# Altium PCB A8_multiple.PcbDoc (part 2 of 10) (continued)
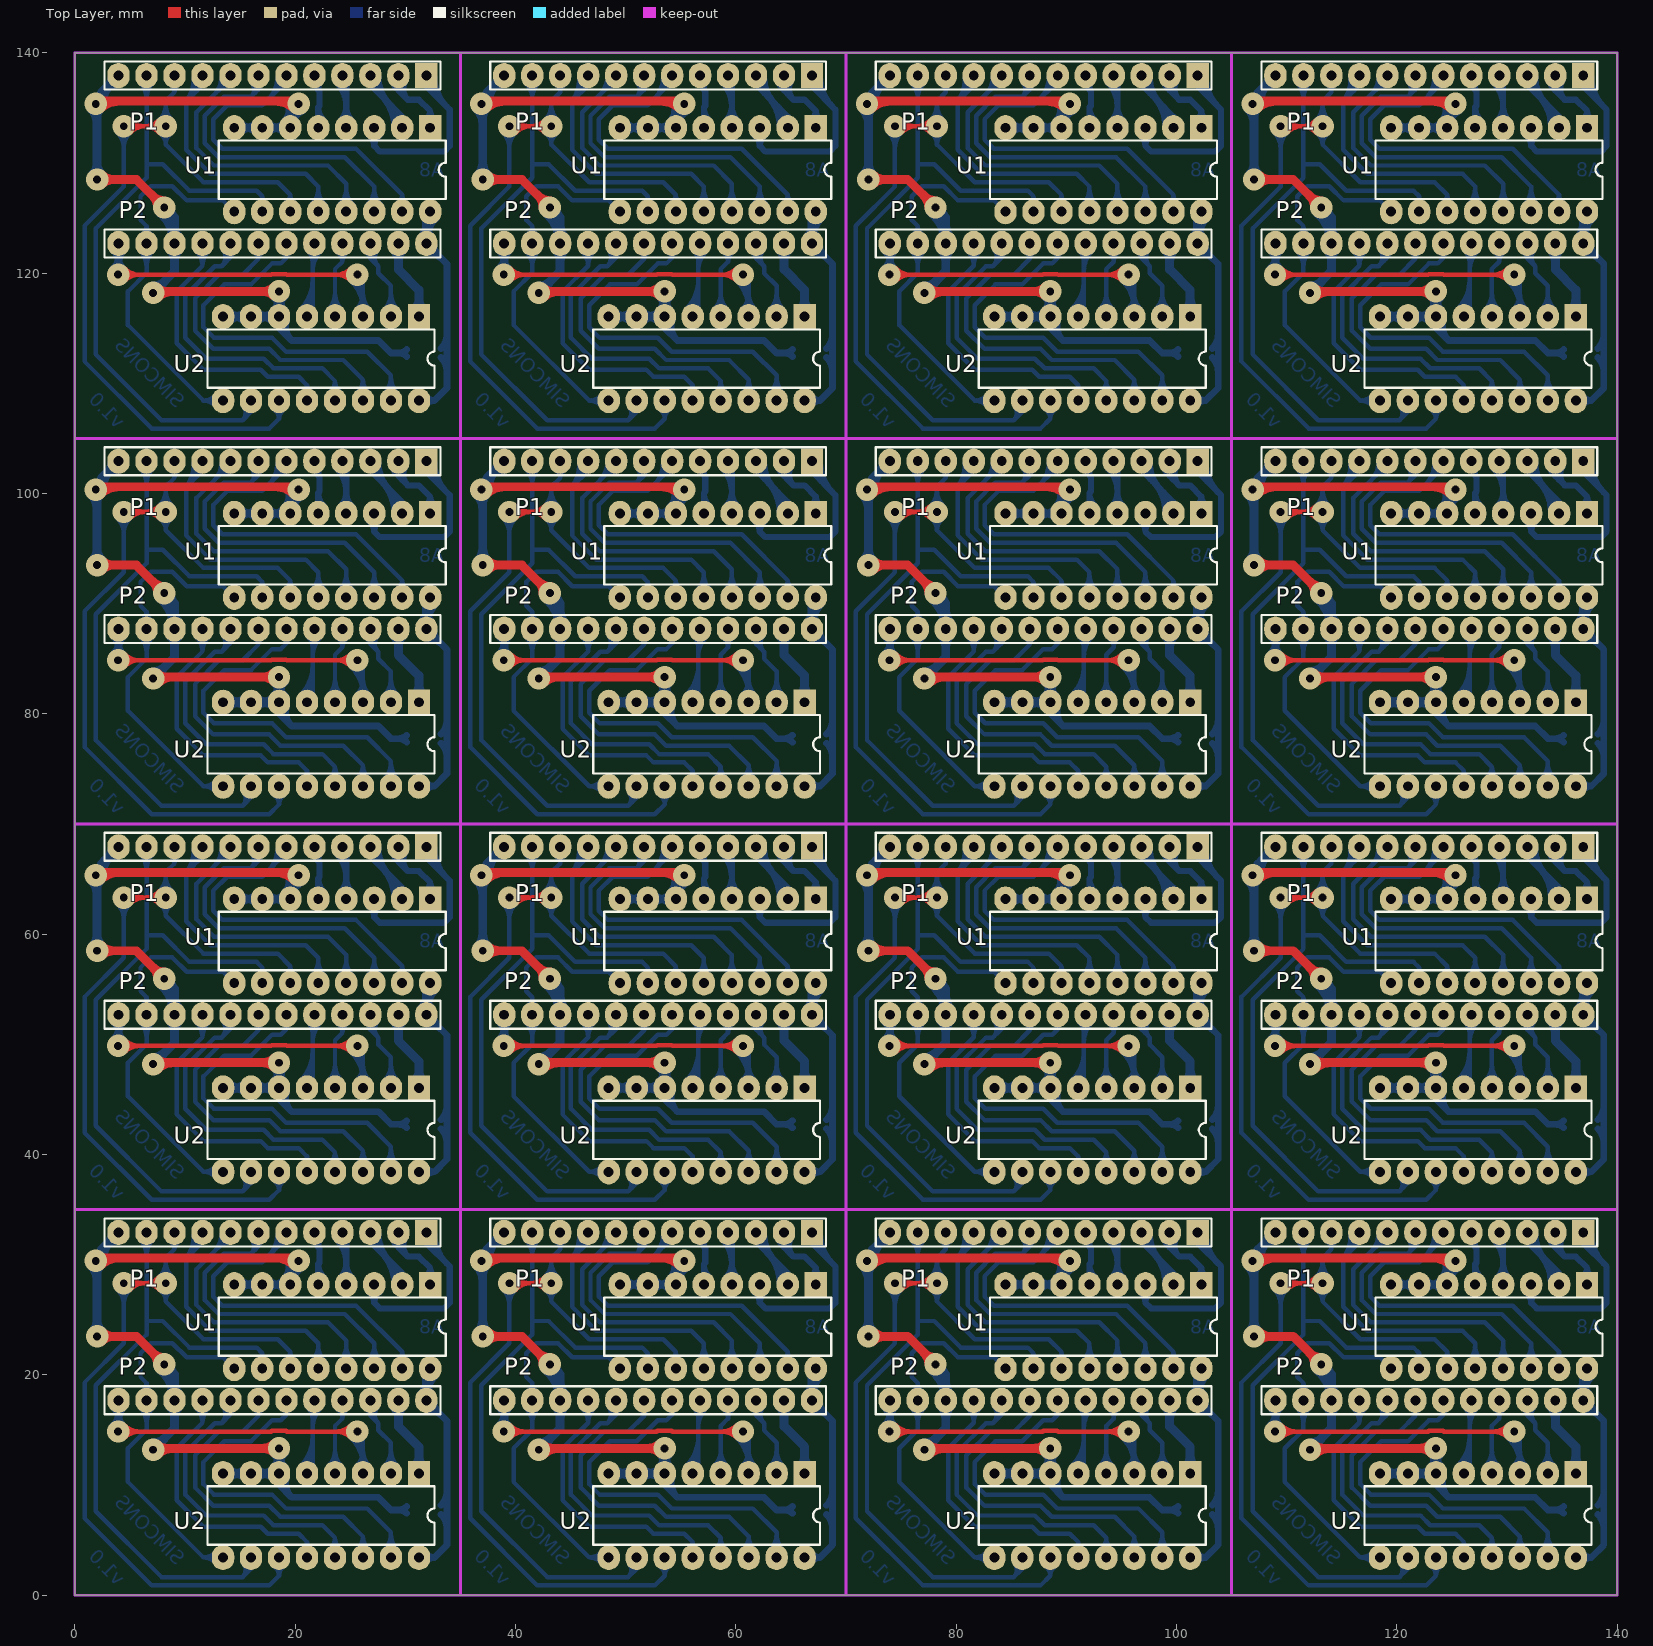
[diagram p0: Top Layer view]
## Nets (pads, with @x,y where several pads share a name; then routed paths per layer and width w, separated by ;. In a path a pad name is that pad's centre, name@x,y a point inside that pad or via, vN(x,y) a via of type N, cw(c..) or ccw(c..) an arc to the next point about the centre after c; other vN are vias at no path point) (continued)
 ; 25.63,109.171 ccw(c24.624,110.334) 26.162,110.334 ; 26.162,3.429 26.162,5.334 ; 26.162,11.049 26.162,14.351 v1(25.654,14.859) cw(c24.428,13.633) 26.162,13.633 ; 26.162,38.429 26.162,40.334 ; 26.162,46.049 26.162,49.351 v1(25.654,49.859) cw(c24.428,48.633) 26.162,48.633 ; 26.162,73.429 26.162,75.334 ; 26.162,81.049 26.162,84.351 v1(25.654,84.859) cw(c24.428,83.633) 26.162,83.633 ; 26.162,108.429 26.162,110.334 ; 26.162,116.049 26.162,119.351 v1(25.654,119.859) cw(c24.428,118.633) 26.162,118.633 ; 26.523,16.814 cw(c26.327,16.345) 26.835,16.345 ; 26.523,51.814 cw(c26.327,51.345) 26.835,51.345 ; 26.523,86.814 cw(c26.327,86.345) 26.835,86.345 ; 26.523,121.814 cw(c26.327,121.345) 26.835,121.345 ; 26.603,21.276 ccw(c25.216,22.663) 27.178,22.663 ccw(c29.14,22.663) 27.753,21.276 ; 26.603,56.276 ccw(c25.216,57.663) 27.178,57.663 ccw(c29.14,57.663) 27.753,56.276 ; 26.603,91.276 ccw(c25.216,92.663) 27.178,92.663 ccw(c29.14,92.663) 27.753,91.276 ; 26.603,126.276 ccw(c25.216,127.663) 27.178,127.663 ccw(c29.14,127.663) 27.753,126.276 ; 26.694,4.171 cw(c27.7,5.334) 26.162,5.334 ; 26.694,39.171 cw(c27.7,40.334) 26.162,40.334 ; 26.694,74.171 cw(c27.7,75.334) 26.162,75.334 ; 26.694,109.171 cw(c27.7,110.334) 26.162,110.334 ; 26.835,17.564 ccw(c27.603,16.959) 26.912,16.268 ; 26.835,17.691 26.835,16.345 ; 26.835,52.564 ccw(c27.603,51.959) 26.912,51.268 ; 26.835,52.691 26.835,51.345 ; 26.835,87.564 ccw(c27.603,86.959) 26.912,86.268 ; 26.835,87.691 26.835,86.345 ; 26.835,122.564 ccw(c27.603,121.959) 26.912,121.268 ; 26.835,122.691 26.835,121.345 ; 27.147,16.814 ccw(c27.343,16.345) 26.835,16.345 ; 27.147,51.814 ccw(c27.343,51.345) 26.835,51.345 ; 27.147,86.814 ccw(c27.343,86.345) 26.835,86.345 ; 27.147,121.814 ccw(c27.343,121.345) 26.835,121.345 ; 27.154,17.313 ccw(c27.965,16.674) 27.235,15.945 ; 27.154,52.313 ccw(c27.965,51.674) 27.235,50.945 ; 27.154,87.313 ccw(c27.965,86.674) 27.235,85.945 ; 27.154,122.313 ccw(c27.965,121.674) 27.235,120.945 ; 27.178,20.574 27.178,22.86 24.511,25.527 13.081,25.527 11.811,26.797 11.811,29.272 13.527,30.988 16.002,30.988 ; 27.178,55.574 27.178,57.86 24.511,60.527 13.081,60.527 11.811,61.797 11.811,64.272 13.527,65.988 16.002,65.988 ; 27.178,90.574 27.178,92.86 24.511,95.527 13.081,95.527 11.811,96.797 11.811,99.272 13.527,100.988 16.002,100.988 ; 27.178,125.574 27.178,127.86 24.511,130.527 13.081,130.527 11.811,131.797 11.811,134.272 13.527,135.988 16.002,135.988 ; 27.474,17.061 ccw(c28.327,16.389) 27.559,15.621 ; 27.474,52.061 ccw(c28.327,51.389) 27.559,50.621 ; 27.474,87.061 ccw(c28.327,86.389) 27.559,85.621 ; 27.474,122.061 ccw(c28.327,121.389) 27.559,120.621 ; 28.127,4.131 ccw(c26.74,5.518) 28.702,5.518 ccw(c30.664,5.518) 29.277,4.131 ; 28.127,11.751 ccw(c26.74,13.138) 28.702,13.138 ccw(c30.664,13.138) 29.277,11.751 ; 28.127,39.131 ccw(c26.74,40.518) 28.702,40.518 ccw(c30.664,40.518) 29.277,39.131 ; 28.127,46.751 ccw(c26.74,48.138) 28.702,48.138 ccw(c30.664,48.138) 29.277,46.751 ; 28.127,74.131 ccw(c26.74,75.518) 28.702,75.518 ccw(c30.664,75.518) 29.277,74.131 ; 28.127,81.751 ccw(c26.74,83.138) 28.702,83.138 ccw(c30.664,83.138) 29.277,81.751 ; 28.127,109.131 ccw(c26.74,110.518) 28.702,110.518 ccw(c30.664,110.518) 29.277,109.131 ; 28.127,116.751 ccw(c26.74,118.138) 28.702,118.138 ccw(c30.664,118.138) 29.277,116.751 ; 28.702,3.429 28.702,5.715 26.543,7.874 19.177,7.874 17.907,9.144 12.635,9.144 11.684,10.095 11.684,12.09 13.564,13.97 16.002,13.97 17.907,15.875 18.707,15.875 19.215,16.383 ; 28.702,11.049 28.702,13.843 27.559,14.986 27.559,15.621 ; 28.702,38.429 28.702,40.715 26.543,42.874 19.177,42.874 17.907,44.144 12.635,44.144 11.684,45.095 11.684,47.09 13.564,48.97 16.002,48.97 17.907,50.875 18.707,50.875 19.215,51.383 ; 28.702,46.049 28.702,48.843 27.559,49.986 27.559,50.621 ; 28.702,73.429 28.702,75.715 26.543,77.874 19.177,77.874 17.907,79.144 12.635,79.144 11.684,80.095 11.684,82.09 13.564,83.97 16.002,83.97 17.907,85.875 18.707,85.875 19.215,86.383 ; 28.702,81.049 28.702,83.843 27.559,84.986 27.559,85.621 ; 28.702,108.429 28.702,110.715 26.543,112.874 19.177,112.874 17.907,114.144 12.635,114.144 11.684,115.095 11.684,117.09 13.564,118.97 16.002,118.97 17.907,120.875 18.707,120.875 19.215,121.383 ; 28.702,116.049 28.702,118.843 27.559,119.986 27.559,120.621 ; 29.316,21.408 ccw(c28.924,22.098) 29.718,22.098 ; 29.316,56.408 ccw(c28.924,57.098) 29.718,57.098 ; 29.316,91.408 ccw(c28.924,92.098) 29.718,92.098 ; 29.316,126.408 ccw(c28.924,127.098) 29.718,127.098 ; 29.718,20.574 29.718,22.098 ; 29.718,55.574 29.718,57.098 ; 29.718,90.574 29.718,92.098 ; 29.718,125.574 29.718,127.098 ; 30.12,21.408 cw(c30.512,22.098) 29.718,22.098 ; 30.12,56.408 cw(c30.512,57.098) 29.718,57.098 ; 30.12,91.408 cw(c30.512,92.098) 29.718,92.098 ; 30.12,126.408 cw(c30.512,127.098) 29.718,127.098 ; v1@38.362,15.434 ccw(c36.883,16.913) 38.975,16.913 ; v1@38.362,50.434 ccw(c36.883,51.913) 38.975,51.913 ; v1@38.362,85.434 ccw(c36.883,86.913) 38.975,86.913 ; v1@38.362,120.434 ccw(c36.883,121.913) 38.975,121.913 ; 38.4,16.989 cw(c37.013,15.602) 38.975,15.602 cw(c40.937,15.602) 39.55,16.989 ; 38.4,51.989 cw(c37.013,50.602) 38.975,50.602 cw(c40.937,50.602) 39.55,51.989 ; 38.4,86.989 cw(c37.013,85.602) 38.975,85.602 cw(c40.937,85.602) 39.55,86.989 ; 38.4,121.989 cw(c37.013,120.602) 38.975,120.602 cw(c40.937,120.602) 39.55,121.989 ; v1@38.546,15.572 ccw(c38.281,16.057) 38.815,16.2 ccw(c39.768,16.455) v1@39.312,15.58 ; v1@38.546,50.572 ccw(c38.281,51.057) 38.815,51.2 ccw(c39.768,51.455) v1@39.312,50.58 ; v1@38.546,85.572 ccw(c38.281,86.057) 38.815,86.2 ccw(c39.768,86.455) v1@39.312,85.58 ; v1@38.546,120.572 ccw(c38.281,121.057) 38.815,121.2 ccw(c39.768,121.455) v1@39.312,120.58 ; v1@38.569,15.584 ccw(c38.04,16.625) 39.168,16.323 ccw(c39.934,16.117) v1@39.442,15.496 ; v1@38.569,50.584 ccw(c38.04,51.625) 39.168,51.323 ccw(c39.934,51.117) v1@39.442,50.496 ; v1@38.569,85.584 ccw(c38.04,86.625) 39.168,86.323 ccw(c39.934,86.117) v1@39.442,85.496 ; v1@38.569,120.584 ccw(c38.04,121.625) 39.168,121.323 ccw(c39.934,121.117) v1@39.442,120.496 ; v1@38.65,15.146 ccw(c37.864,15.932) 38.975,15.932 ; v1@38.65,50.146 ccw(c37.864,50.932) 38.975,50.932 ; v1@38.65,85.146 ccw(c37.864,85.932) 38.975,85.932 ; v1@38.65,120.146 ccw(c37.864,120.932) 38.975,120.932 ; v1@38.87,27.746 cw(c37.483,26.359) 39.445,26.359 cw(c41.407,26.359) v1@40.02,27.746 ; v1@38.87,62.746 cw(c37.483,61.359) 39.445,61.359 cw(c41.407,61.359) v1@40.02,62.746 ; v1@38.87,97.746 cw(c37.483,96.359) 39.445,96.359 cw(c41.407,96.359) v1@40.02,97.746 ; v1@38.87,132.746 cw(c37.483,131.359) 39.445,131.359 cw(c41.407,131.359) v1@40.02,132.746 ; 38.975,16.73 ccw(c40.808,16.73) v1@39.512,15.434 ; 38.975,17.691 38.975,15.113 38.937,15.113 v1@39.064,14.986 ; 38.975,51.73 ccw(c40.808,51.73) v1@39.512,50.434 ; 38.975,52.691 38.975,50.113 38.937,50.113 v1@39.064,49.986 ; 38.975,86.73 ccw(c40.808,86.73) v1@39.512,85.434 ; 38.975,87.691 38.975,85.113 38.937,85.113 v1@39.064,84.986 ; 38.975,121.73 ccw(c40.808,121.73) v1@39.512,120.434 ; 38.975,122.691 38.975,120.113 38.937,120.113 v1@39.064,119.986 ; v1(39.445,28.321) 39.445,22.86 35.889,19.304 35.889,6.985 41.985,0.889 52.653,0.889 53.542,1.778 ; v1(39.445,63.321) 39.445,57.86 35.889,54.304 35.889,41.985 41.985,35.889 52.653,35.889 53.542,36.778 ; v1(39.445,98.321) 39.445,92.86 35.889,89.304 35.889,76.985 41.985,70.889 52.653,70.889 53.542,71.778 ; v1(39.445,133.321) 39.445,127.86 35.889,124.304 35.889,111.985 41.985,105.889 52.653,105.889 53.542,106.778 ; 40.94,16.989 cw(c39.553,15.602) 41.515,15.602 cw(c43.477,15.602) 42.09,16.989 ; 40.94,32.229 cw(c39.553,30.842) 41.515,30.842 cw(c43.477,30.842) 42.09,32.229 ; 40.94,51.989 cw(c39.553,50.602) 41.515,50.602 cw(c43.477,50.602) 42.09,51.989 ; 40.94,67.229 cw(c39.553,65.842) 41.515,65.842 cw(c43.477,65.842) 42.09,67.229 ; 40.94,86.989 cw(c39.553,85.602) 41.515,85.602 cw(c43.477,85.602) 42.09,86.989 ; 40.94,102.229 cw(c39.553,100.842) 41.515,100.842 cw(c43.477,100.842) 42.09,102.229 ; 40.94,121.989 cw(c39.553,120.602) 41.515,120.602 cw(c43.477,120.602) 42.09,121.989 ; 40.94,137.229 cw(c39.553,135.842) 41.515,135.842 cw(c43.477,135.842) 42.09,137.229 ; 41.092,18.512 ccw(c40.632,19.266) 41.515,19.266 ; 41.092,53.512 ccw(c40.632,54.266) 41.515,54.266 ; 41.092,88.512 ccw(c40.632,89.266) 41.515,89.266 ; 41.092,123.512 ccw(c40.632,124.266) 41.515,124.266 ; 41.515,32.931 41.515,24.892 ; 41.515,67.931 41.515,59.892 ; 41.515,102.931 41.515,94.892 ; 41.515,137.931 41.515,129.892 ; 41.938,18.512 cw(c42.398,19.266) 41.515,19.266 ; 41.938,53.512 cw(c42.398,54.266) 41.515,54.266 ; 41.938,88.512 cw(c42.398,89.266) 41.515,89.266 ; 41.938,123.512 cw(c42.398,124.266) 41.515,124.266 ; v1@42.68,28.896 ccw(c41.293,30.283) 43.255,30.283 ccw(c45.217,30.283) v1@43.83,28.896 ; v1@42.68,63.896 ccw(c41.293,65.283) 43.255,65.283 ccw(c45.217,65.283) v1@43.83,63.896 ; v1@42.68,98.896 ccw(c41.293,100.283) 43.255,100.283 ccw(c45.217,100.283) v1@43.83,98.896 ; v1@42.68,133.896 ccw(c41.293,135.283) 43.255,135.283 ccw(c45.217,135.283) v1@43.83,133.896 ; v1@42.759,27.677 cw(c41.985,26.67) 43.255,26.67 ; v1@42.759,62.677 cw(c41.985,61.67) 43.255,61.67 ; v1@42.759,97.677 cw(c41.985,96.67) 43.255,96.67 ; v1@42.759,132.677 cw(c41.985,131.67) 43.255,131.67 ; 43.653,32.097 cw(c43.261,31.407) 44.055,31.407 ; 43.653,67.097 cw(c43.261,66.407) 44.055,66.407 ; 43.653,102.097 cw(c43.261,101.407) 44.055,101.407 ; 43.653,137.097 cw(c43.261,136.407) 44.055,136.407 ; v1@43.751,27.677 ccw(c44.525,26.67) 43.255,26.67 ; v1@43.751,62.677 ccw(c44.525,61.67) 43.255,61.67 ; v1@43.751,97.677 ccw(c44.525,96.67) 43.255,96.67 ; v1@43.751,132.677 ccw(c44.525,131.67) 43.255,131.67 ; 44.055,32.931 44.055,31.407 ; 44.055,67.931 44.055,66.407 ; 44.055,102.931 44.055,101.407 ; 44.055,137.931 44.055,136.407 ; 44.457,32.097 ccw(c44.849,31.407) 44.055,31.407 ; 44.457,67.097 ccw(c44.849,66.407) 44.055,66.407 ; 44.457,102.097 ccw(c44.849,101.407) 44.055,101.407 ; 44.457,137.097 ccw(c44.849,136.407) 44.055,136.407 ; 45.178,30.692 ccw(c42.476,32.606) 45.783,32.765 ; 45.178,65.692 ccw(c42.476,67.606) 45.783,67.765 ; 45.178,100.692 ccw(c42.476,102.606) 45.783,102.765 ; 45.178,135.692 ccw(c42.476,137.606) 45.783,137.765 ; 45.466,30.913 ccw(c43.714,32.665) 46.189,32.784 ; 45.466,65.913 ccw(c43.714,67.665) 46.189,67.784 ; 45.466,100.913 ccw(c43.714,102.665) 46.189,102.784 ; 45.466,135.913 ccw(c43.714,137.665) 46.189,137.784 ; 46.033,16.977 cw(c44.769,15.659) 46.595,15.659 ; 46.033,51.977 cw(c44.769,50.659) 46.595,50.659 ; 46.033,86.977 cw(c44.769,85.659) 46.595,85.659 ; 46.033,121.977 cw(c44.769,120.659) 46.595,120.659 ; 46.115,31.562 ccw(c44.953,32.725) 46.595,32.804 ; 46.115,66.562 ccw(c44.953,67.725) 46.595,67.804 ; 46.115,101.562 ccw(c44.953,102.725) 46.595,102.804 ; 46.115,136.562 ccw(c44.953,137.725) 46.595,137.804 ; 46.595,17.691 46.595,15.659 ; 46.595,32.931 46.595,32.042 45.135,30.582 45.135,26.187 47.319,24.003 55.955,24.003 57.098,22.86 57.098,20.574 ; 46.595,52.691 46.595,50.659 ; 46.595,67.931 46.595,67.042 45.135,65.582 45.135,61.187 47.319,59.003 55.955,59.003 57.098,57.86 57.098,55.574 ; 46.595,87.691 46.595,85.659 ; 46.595,102.931 46.595,102.042 45.135,100.582 45.135,96.187 47.319,94.003 55.955,94.003 57.098,92.86 57.098,90.574 ; 46.595,122.691 46.595,120.659 ; 46.595,137.931 46.595,137.042 45.135,135.582 45.135,131.187 47.319,129.003 55.955,129.003 57.098,127.86 57.098,125.574 ; 47.157,16.977 ccw(c48.421,15.659) 46.595,15.659 ; 47.157,51.977 ccw(c48.421,50.659) 46.595,50.659 ; 47.157,86.977 ccw(c48.421,85.659) 46.595,85.659 ; 47.157,121.977 ccw(c48.421,120.659) 46.595,120.659 ; 47.658,31.2 ccw(c46.053,32.804) 48.322,32.804 ; 47.658,66.2 ccw(c46.053,67.804) 48.322,67.804 ; 47.658,101.2 ccw(c46.053,102.804) 48.322,102.804 ; 47.658,136.2 ccw(c46.053,137.804) 48.322,137.804 ; 47.847,2.897 ccw(c46.684,1.891) 46.684,3.429 ; 47.847,3.961 cw(c46.684,4.967) 46.684,3.429 ; 47.847,37.897 ccw(c46.684,36.891) 46.684,38.429 ; 47.847,38.961 cw(c46.684,39.967) 46.684,38.429 ; 47.847,72.897 ccw(c46.684,71.891) 46.684,73.429 ; 47.847,73.961 cw(c46.684,74.967) 46.684,73.429 ; 47.847,107.897 ccw(c46.684,106.891) 46.684,108.429 ; 47.847,108.961 cw(c46.684,109.967) 46.684,108.429 ; 47.964,31.506 cw(c49.135,30.336) 49.135,31.991 ; 47.964,66.506 cw(c49.135,65.336) 49.135,66.991 ; 47.964,101.506 cw(c49.135,100.336) 49.135,101.991 ; 47.964,136.506 cw(c49.135,135.336) 49.135,136.991 ; 48.351,31.893 ccw(c47.441,32.804) 48.729,32.804 ; 48.351,66.893 ccw(c47.441,67.804) 48.729,67.804 ; 48.351,101.893 ccw(c47.441,102.804) 48.729,102.804 ; 48.351,136.893 ccw(c47.441,137.804) 48.729,137.804 ; 48.462,3.429 46.684,3.429 ; 48.462,38.429 46.684,38.429 ; 48.462,73.429 46.684,73.429 ; 48.462,108.429 46.684,108.429 ; 48.467,17.1 cw(c47.516,16.44) 48.335,15.621 ; 48.467,52.1 cw(c47.516,51.44) 48.335,50.621 ; 48.467,87.1 cw(c47.516,86.44) 48.335,85.621 ; 48.467,122.1 cw(c47.516,121.44) 48.335,120.621 ; 48.679,15.965 ccw(c47.922,16.722) 48.801,17.332 ; 48.679,50.965 ccw(c47.922,51.722) 48.801,52.332 ; 48.679,85.965 ccw(c47.922,86.722) 48.801,87.332 ; 48.679,120.965 ccw(c47.922,121.722) 48.801,122.332 ; 48.868,16.796 cw(c48.738,16.421) 49.135,16.421 ; 48.868,51.796 cw(c48.738,51.421) 49.135,51.421 ; 48.868,86.796 cw(c48.738,86.421) 49.135,86.421 ; 48.868,121.796 cw(c48.738,121.421) 49.135,121.421 ; 49.023,16.309 ccw(c48.328,17.004) 49.135,17.564 ; 49.023,51.309 ccw(c48.328,52.004) 49.135,52.564 ; 49.023,86.309 ccw(c48.328,87.004) 49.135,87.564 ; 49.023,121.309 ccw(c48.328,122.004) 49.135,122.564 ; 49.135,17.691 49.135,16.421 ; 49.135,32.931 49.135,32.677 46.049,29.591 46.049,26.351 47.635,24.765 57.987,24.765 59.638,23.114 59.638,20.574 ; 49.135,52.691 49.135,51.421 ; 49.135,67.931 49.135,67.677 46.049,64.591 46.049,61.351 47.635,59.765 57.987,59.765 59.638,58.114 59.638,55.574 ; 49.135,87.691 49.135,86.421 ; 49.135,102.931 49.135,102.677 46.049,99.591 46.049,96.351 47.635,94.765 57.987,94.765 59.638,93.114 59.638,90.574 ; 49.135,122.691 49.135,121.421 ; 49.135,137.931 49.135,137.677 46.049,134.591 46.049,131.351 47.635,129.765 57.987,129.765 59.638,128.114 59.638,125.574 ; 49.402,16.796 ccw(c49.532,16.421) 49.135,16.421 ; 49.402,51.796 ccw(c49.532,51.421) 49.135,51.421 ; 49.402,86.796 ccw(c49.532,86.421) 49.135,86.421 ; 49.402,121.796 ccw(c49.532,121.421) 49.135,121.421 ; 49.478,20.574 48.462,21.59 45.16,21.59 43.865,22.885 41.883,22.885 40.969,21.971 40.969,19.812 41.515,19.266 ; 49.478,55.574 48.462,56.59 45.16,56.59 43.865,57.885 41.883,57.885 40.969,56.971 40.969,54.812 41.515,54.266 ; 49.478,90.574 48.462,91.59 45.16,91.59 43.865,92.885 41.883,92.885 40.969,91.971 40.969,89.812 41.515,89.266 ; 49.478,125.574 48.462,126.59 45.16,126.59 43.865,127.885 41.883,127.885 40.969,126.971 40.969,124.812 41.515,124.266 ; 50.339,2.831 cw(c49.591,2.3) 50.24,1.651 ; 50.339,37.831 cw(c49.591,37.3) 50.24,36.651 ; 50.339,72.831 cw(c49.591,72.3) 50.24,71.651 ; 50.339,107.831 cw(c49.591,107.3) 50.24,106.651 ; 50.58,1.991 ccw(c49.989,2.582) 50.671,3.067 ; 50.58,36.991 ccw(c49.989,37.582) 50.671,38.067 ; 50.58,71.991 ccw(c49.989,72.582) 50.671,73.067 ; 50.58,106.991 ccw(c49.989,107.582) 50.671,108.067 ; 51.002,3.429 51.002,2.413 50.24,1.651 ; 51.002,38.429 51.002,37.413 50.24,36.651 ; 51.002,73.429 51.002,72.413 50.24,71.651 ; 51.002,108.429 51.002,107.413 50.24,106.651 ; 51.055,32.278 cw(c50.328,31.662) 51.002,30.988 ; 51.055,67.278 cw(c50.328,66.662) 51.002,65.988 ; 51.055,102.278 cw(c50.328,101.662) 51.002,100.988 ; 51.055,137.278 cw(c50.328,136.662) 51.002,135.988 ; 51.314,31.3 ccw(c50.666,31.948) 51.365,32.541 ; 51.314,66.3 ccw(c50.666,66.948) 51.365,67.541 ; 51.314,101.3 ccw(c50.666,101.948) 51.365,102.541 ; 51.314,136.3 ccw(c50.666,136.948) 51.365,137.541 ; 51.335,16.826 cw(c51.089,16.294) 51.675,16.294 ; 51.335,51.826 cw(c51.089,51.294) 51.675,51.294 ; 51.335,86.826 cw(c51.089,86.294) 51.675,86.294 ; 51.335,121.826 cw(c51.089,121.294) 51.675,121.294 ; 51.408,32.036 cw(c51.278,31.661) 51.675,31.661 ; 51.408,67.036 cw(c51.278,66.661) 51.675,66.661 ; 51.408,102.036 cw(c51.278,101.661) 51.675,101.661 ; 51.408,137.036 cw(c51.278,136.661) 51.675,136.661 ; 51.626,31.612 ccw(c51.003,32.235) 51.675,32.804 ; 51.626,66.612 ccw(c51.003,67.235) 51.675,67.804 ; 51.626,101.612 ccw(c51.003,102.235) 51.675,102.804 ; 51.626,136.612 ccw(c51.003,137.235) 51.675,137.804 ; 51.675,17.691 51.675,16.294 ; 51.675,32.931 51.675,31.661 ; 51.675,52.691 51.675,51.294 ; 51.675,67.931 51.675,66.661 ; 51.675,87.691 51.675,86.294 ; 51.675,102.931 51.675,101.661 ; 51.675,122.691 51.675,121.294 ; 51.675,137.931 51.675,136.661 ; 51.678,21.439 ccw(c51.432,21.971) 52.018,21.971 ; 51.678,56.439 ccw(c51.432,56.971) 52.018,56.971 ; 51.678,91.439 ccw(c51.432,91.971) 52.018,91.971 ; 51.678,126.439 ccw(c51.432,126.971) 52.018,126.971 ; 51.942,32.036 ccw(c52.072,31.661) 51.675,31.661 ; 51.942,67.036 ccw(c52.072,66.661) 51.675,66.661 ; 51.942,102.036 ccw(c52.072,101.661) 51.675,101.661 ; 51.942,137.036 ccw(c52.072,136.661) 51.675,136.661 ; 52.015,16.826 ccw(c52.261,16.294) 51.675,16.294 ; 52.015,51.826 ccw(c52.261,51.294) 51.675,51.294 ; 52.015,86.826 ccw(c52.261,86.294) 51.675,86.294 ; 52.015,121.826 ccw(c52.261,121.294) 51.675,121.294 ; 52.018,20.574 52.018,21.971 ; 52.018,55.574 52.018,56.971 ; 52.018,90.574 52.018,91.971 ; 52.018,125.574 52.018,126.971 ; 52.358,21.439 cw(c52.604,21.971) 52.018,21.971 ; 52.358,56.439 cw(c52.604,56.971) 52.018,56.971 ; 52.358,91.439 cw(c52.604,91.971) 52.018,91.971 ; 52.358,126.439 cw(c52.604,126.971) 52.018,126.971 ; 52.558,30.766 ccw(c50.52,32.804) 53.402,32.804 ; 52.558,65.766 ccw(c50.52,67.804) 53.402,67.804 ; 52.558,100.766 ccw(c50.52,102.804) 53.402,102.804 ; 52.558,135.766 ccw(c50.52,137.804) 53.402,137.804 ; 53.089,2.627 cw(c52.52,1.778) 53.542,1.778 ; 53.089,37.627 cw(c52.52,36.778) 53.542,36.778 ; 53.089,72.627 cw(c52.52,71.778) 53.542,71.778 ; 53.089,107.627 cw(c52.52,106.778) 53.542,106.778 ; 53.252,31.46 ccw(c51.908,32.804) 53.809,32.804 ; 53.252,66.46 ccw(c51.908,67.804) 53.809,67.804 ; 53.252,101.46 ccw(c51.908,102.804) 53.809,102.804 ; 53.252,136.46 ccw(c51.908,137.804) 53.809,137.804 ; 53.478,31.686 cw(c54.215,30.949) 54.215,31.991 ; 53.478,66.686 cw(c54.215,65.949) 54.215,66.991 ; 53.478,101.686 cw(c54.215,100.949) 54.215,101.991 ; 53.478,136.686 cw(c54.215,135.949) 54.215,136.991 ; 53.542,3.429 53.542,1.778 ; 53.542,38.429 53.542,36.778 ; 53.542,73.429 53.542,71.778 ; 53.542,108.429 53.542,106.778 ; 53.925,16.805 cw(c53.763,16.383) 54.215,16.383 ; 53.925,51.805 cw(c53.763,51.383) 54.215,51.383 ; 53.925,86.805 cw(c53.763,86.383) 54.215,86.383 ; 53.925,121.805 cw(c53.763,121.383) 54.215,121.383 ; 53.995,2.627 ccw(c54.564,1.778) 53.542,1.778 ; 53.995,37.627 ccw(c54.564,36.778) 53.542,36.778 ; 53.995,72.627 ccw(c54.564,71.778) 53.542,71.778 ; 53.995,107.627 ccw(c54.564,106.778) 53.542,106.778 ; 54.156,21.408 ccw(c53.764,22.098) 54.558,22.098 ; 54.156,56.408 ccw(c53.764,57.098) 54.558,57.098 ; 54.156,91.408 ccw(c53.764,92.098) 54.558,92.098 ; 54.156,126.408 ccw(c53.764,127.098) 54.558,127.098 ; 54.215,17.691 54.215,16.383 ; 54.215,32.931 54.215,32.423 52.018,30.226 48.843,30.226 47.573,28.956 47.573,27.113 48.397,26.289 60.527,26.289 64.718,22.098 ; 54.215,52.691 54.215,51.383 ; 54.215,67.931 54.215,67.423 52.018,65.226 48.843,65.226 47.573,63.956 47.573,62.113 48.397,61.289 60.527,61.289 64.718,57.098 ; 54.215,87.691 54.215,86.383 ; 54.215,102.931 54.215,102.423 52.018,100.226 48.843,100.226 47.573,98.956 47.573,97.113 48.397,96.289 60.527,96.289 64.718,92.098 ; 54.215,122.691 54.215,121.383 ; 54.215,137.931 54.215,137.423 52.018,135.226 48.843,135.226 47.573,133.956 47.573,132.113 48.397,131.289 60.527,131.289 64.718,127.098 ; 54.505,16.805 ccw(c54.667,16.383) 54.215,16.383 ; 54.505,51.805 ccw(c54.667,51.383) 54.215,51.383 ; 54.505,86.805 ccw(c54.667,86.383) 54.215,86.383 ; 54.505,121.805 ccw(c54.667,121.383) 54.215,121.383 ; 54.558,20.574 54.558,22.098 ; 54.558,55.574 54.558,57.098 ; 54.558,90.574 54.558,92.098 ; 54.558,125.574 54.558,127.098 ; 54.96,21.408 cw(c55.352,22.098) 54.558,22.098 ; 54.96,56.408 cw(c55.352,57.098) 54.558,57.098 ; 54.96,91.408 cw(c55.352,92.098) 54.558,92.098 ; 54.96,126.408 cw(c55.352,127.098) 54.558,127.098 ; 55.507,11.751 ccw(c52.893,14.365) 56.59,14.365 ; 55.507,46.751 ccw(c52.893,49.365) 56.59,49.365 ; 55.507,81.751 ccw(c52.893,84.365) 56.59,84.365 ; 55.507,116.751 ccw(c52.893,119.365) 56.59,119.365 ; 55.742,4.294 ccw(c55.496,4.826) 56.082,4.826 ; 55.742,39.294 ccw(c55.496,39.826) 56.082,39.826 ; 55.742,74.294 ccw(c55.496,74.826) 56.082,74.826 ; 55.742,109.294 ccw(c55.496,109.826) 56.082,109.826 ; 55.795,11.463 ccw(c53.874,13.384) 56.59,13.384 ; 55.795,46.463 ccw(c53.874,48.384) 56.59,48.384 ; 55.795,81.463 ccw(c53.874,83.384) 56.59,83.384 ; 55.795,116.463 ccw(c53.874,118.384) 56.59,118.384 ; 56.082,3.429 56.082,4.826 ; 56.082,11.049 56.59,11.557 56.59,17.526 56.755,17.691 ; 56.082,11.176 ccw(c54.856,12.402) 56.59,12.402 ; 56.082,38.429 56.082,39.826 ; 56.082,46.049 56.59,46.557 56.59,52.526 56.755,52.691 ; 56.082,46.176 ccw(c54.856,47.402) 56.59,47.402 ; 56.082,73.429 56.082,74.826 ; 56.082,81.049 56.59,81.557 56.59,87.526 56.755,87.691 ; 56.082,81.176 ccw(c54.856,82.402) 56.59,82.402 ; 56.082,108.429 56.082,109.826 ; 56.082,116.049 56.59,116.557 56.59,122.526 56.755,122.691 ; 56.082,116.176 ccw(c54.856,117.402) 56.59,117.402 ; 56.18,16.989 cw(c55.191,16) 56.59,16 ; 56.18,51.989 cw(c55.191,51) 56.59,51 ; 56.18,86.989 cw(c55.191,86) 56.59,86 ; 56.18,121.989 cw(c55.191,121) 56.59,121 ; 56.422,4.294 cw(c56.668,4.826) 56.082,4.826 ; 56.422,39.294 cw(c56.668,39.826) 56.082,39.826 ; 56.422,74.294 cw(c56.668,74.826) 56.082,74.826 ; 56.422,109.294 cw(c56.668,109.826) 56.082,109.826 ; 56.523,21.276 ccw(c55.136,22.663) 57.098,22.663 ccw(c59.06,22.663) 57.673,21.276 ; 56.523,56.276 ccw(c55.136,57.663) 57.098,57.663 ccw(c59.06,57.663) 57.673,56.276 ; 56.523,91.276 ccw(c55.136,92.663) 57.098,92.663 ccw(c59.06,92.663) 57.673,91.276 ; 56.523,126.276 ccw(c55.136,127.663) 57.098,127.663 ccw(c59.06,127.663) 57.673,126.276 ; 56.59,15.203 cw(c59.116,15.203) 57.33,16.989 ; 56.59,16.185 cw(c58.134,16.185) 57.042,17.277 ; 56.59,50.203 cw(c59.116,50.203) 57.33,51.989 ; 56.59,51.185 cw(c58.134,51.185) 57.042,52.277 ; 56.59,85.203 cw(c59.116,85.203) 57.33,86.989 ; 56.59,86.185 cw(c58.134,86.185) 57.042,87.277 ; 56.59,120.203 cw(c59.116,120.203) 57.33,121.989 ; 56.59,121.185 cw(c58.135,121.185) 57.042,122.277 ; 58.047,11.751 ccw(c56.66,13.138) 58.622,13.138 ccw(c60.584,13.138) 59.197,11.751 ; 58.047,46.751 ccw(c56.66,48.138) 58.622,48.138 ccw(c60.584,48.138) 59.197,46.751 ; 58.047,81.751 ccw(c56.66,83.138) 58.622,83.138 ccw(c60.584,83.138) 59.197,81.751 ; 58.047,116.751 ccw(c56.66,118.138) 58.622,118.138 ccw(c60.584,118.138) 59.197,116.751 ; 58.126,4.2 ccw(c57.352,5.207) 58.622,5.207 ; 58.126,39.2 ccw(c57.352,40.207) 58.622,40.207 ; 58.126,74.2 ccw(c57.352,75.207) 58.622,75.207 ; 58.126,109.2 ccw(c57.352,110.207) 58.622,110.207 ; 58.622,3.429 58.622,5.207 ; 58.622,11.049 58.622,15.367 59.295,16.04 ; 58.622,38.429 58.622,40.207 ; 58.622,46.049 58.622,50.367 59.295,51.04 ; 58.622,73.429 58.622,75.207 ; 58.622,81.049 58.622,85.367 59.295,86.04 ; 58.622,108.429 58.622,110.207 ; 58.622,116.049 58.622,120.367 59.295,121.04 ; 58.842,16.889 cw(c58.273,16.04) 59.295,16.04 ; 58.842,51.889 cw(c58.273,51.04) 59.295,51.04 ; 58.842,86.889 cw(c58.273,86.04) 59.295,86.04 ; 58.842,121.889 cw(c58.273,121.04) 59.295,121.04 ; 59.063,21.276 ccw(c57.676,22.663) 59.638,22.663 ccw(c61.6,22.663) 60.213,21.276 ; 59.063,56.276 ccw(c57.676,57.663) 59.638,57.663 ccw(c61.6,57.663) 60.213,56.276 ; 59.063,91.276 ccw(c57.676,92.663) 59.638,92.663 ccw(c61.6,92.663) 60.213,91.276 ; 59.063,126.276 ccw(c57.676,127.663) 59.638,127.663 ccw(c61.6,127.663) 60.213,126.276 ; 59.118,4.2 cw(c59.892,5.207) 58.622,5.207 ; 59.118,39.2 cw(c59.892,40.207) 58.622,40.207 ; 59.118,74.2 cw(c59.892,75.207) 58.622,75.207 ; 59.118,109.2 cw(c59.892,110.207) 58.622,110.207 ; 59.295,17.691 59.295,16.04 ; 59.295,52.691 59.295,51.04 ; 59.295,87.691 59.295,86.04 ; 59.295,122.691 59.295,121.04 ; 59.748,16.889 ccw(c60.317,16.04) 59.295,16.04 ; 59.748,51.889 ccw(c60.317,51.04) 59.295,51.04 ; 59.748,86.889 ccw(c60.317,86.04) 59.295,86.04 ; 59.748,121.889 ccw(c60.317,121.04) 59.295,121.04 ; v1@60.079,14.284 cw(c57.465,11.67) 61.162,11.67 ; v1@60.079,49.284 cw(c57.465,46.67) 61.162,46.67 ; v1@60.079,84.284 cw(c57.465,81.67) 61.162,81.67 ; v1@60.079,119.284 cw(c57.465,116.67) 61.162,116.67 ; v1@60.367,14.572 cw(c58.446,12.651) 61.162,12.651 ; v1@60.367,49.572 cw(c58.446,47.651) 61.162,47.651 ; v1@60.367,84.572 cw(c58.446,82.651) 61.162,82.651 ; v1@60.367,119.572 cw(c58.446,117.651) 61.162,117.651 ; 60.587,11.751 ccw(c59.2,13.138) 61.162,13.138 ccw(c63.124,13.138) 61.737,11.751 ; 60.587,46.751 ccw(c59.2,48.138) 61.162,48.138 ccw(c63.124,48.138) 61.737,46.751 ; 60.587,81.751 ccw(c59.2,83.138) 61.162,83.138 ccw(c63.124,83.138) 61.737,81.751 ; 60.587,116.751 ccw(c59.2,118.138) 61.162,118.138 ccw(c63.124,118.138) 61.737,116.751 ; 60.63,4.171 ccw(c59.624,5.334) 61.162,5.334 ; 60.63,39.171 ccw(c59.624,40.334) 61.162,40.334 ; 60.63,74.171 ccw(c59.624,75.334) 61.162,75.334 ; 60.63,109.171 ccw(c59.624,110.334) 61.162,110.334 ; 61.162,3.429 61.162,5.334 ; 61.162,11.049 61.162,14.351 v1(60.654,14.859) cw(c59.428,13.633) 61.162,13.633 ; 61.162,38.429 61.162,40.334 ; 61.162,46.049 61.162,49.351 v1(60.654,49.859) cw(c59.428,48.633) 61.162,48.633 ; 61.162,73.429 61.162,75.334 ; 61.162,81.049 61.162,84.351 v1(60.654,84.859) cw(c59.428,83.633) 61.162,83.633 ; 61.162,108.429 61.162,110.334 ; 61.162,116.049 61.162,119.351 v1(60.654,119.859) cw(c59.428,118.633) 61.162,118.633 ; 61.523,16.814 cw(c61.327,16.345) 61.835,16.345 ; 61.523,51.814 cw(c61.327,51.345) 61.835,51.345 ; 61.523,86.814 cw(c61.327,86.345) 61.835,86.345 ; 61.523,121.814 cw(c61.327,121.345) 61.835,121.345 ; 61.603,21.276 ccw(c60.216,22.663) 62.178,22.663 ccw(c64.14,22.663) 62.753,21.276 ; 61.603,56.276 ccw(c60.216,57.663) 62.178,57.663 ccw(c64.14,57.663) 62.753,56.276 ; 61.603,91.276 ccw(c60.216,92.663) 62.178,92.663 ccw(c64.14,92.663) 62.753,91.276 ; 61.603,126.276 ccw(c60.216,127.663) 62.178,127.663 ccw(c64.14,127.663) 62.753,126.276 ; 61.694,4.171 cw(c62.7,5.334) 61.162,5.334 ; 61.694,39.171 cw(c62.7,40.334) 61.162,40.334 ; 61.694,74.171 cw(c62.7,75.334) 61.162,75.334 ; 61.694,109.171 cw(c62.7,110.334) 61.162,110.334 ; 61.835,17.564 ccw(c62.603,16.959) 61.912,16.268 ; 61.835,17.691 61.835,16.345 ; 61.835,52.564 ccw(c62.603,51.959) 61.912,51.268 ; 61.835,52.691 61.835,51.345 ; 61.835,87.564 ccw(c62.603,86.959) 61.912,86.268 ; 61.835,87.691 61.835,86.345 ; 61.835,122.564 ccw(c62.603,121.959) 61.912,121.268 ; 61.835,122.691 61.835,121.345 ; 62.147,16.814 ccw(c62.343,16.345) 61.835,16.345 ; 62.147,51.814 ccw(c62.343,51.345) 61.835,51.345 ; 62.147,86.814 ccw(c62.343,86.345) 61.835,86.345 ; 62.147,121.814 ccw(c62.343,121.345) 61.835,121.345 ; 62.154,17.313 ccw(c62.965,16.674) 62.235,15.945 ; 62.154,52.313 ccw(c62.965,51.674) 62.235,50.945 ; 62.154,87.313 ccw(c62.965,86.674) 62.235,85.945 ; 62.154,122.313 ccw(c62.965,121.674) 62.235,120.945 ; 62.178,20.574 62.178,22.86 59.511,25.527 48.081,25.527 46.811,26.797 46.811,29.272 48.527,30.988 51.002,30.988 ; 62.178,55.574 62.178,57.86 59.511,60.527 48.081,60.527 46.811,61.797 46.811,64.272 48.527,65.988 51.002,65.988 ; 62.178,90.574 62.178,92.86 59.511,95.527 48.081,95.527 46.811,96.797 46.811,99.272 48.527,100.988 51.002,100.988 ; 62.178,125.574 62.178,127.86 59.511,130.527 48.081,130.527 46.811,131.797 46.811,134.272 48.527,135.988 51.002,135.988 ; 62.474,17.061 ccw(c63.327,16.389) 62.559,15.621 ; 62.474,52.061 ccw(c63.327,51.389) 62.559,50.621 ; 62.474,87.061 ccw(c63.327,86.389) 62.559,85.621 ; 62.474,122.061 ccw(c63.327,121.389) 62.559,120.621 ; 63.127,4.131 ccw(c61.74,5.518) 63.702,5.518 ccw(c65.664,5.518) 64.277,4.131 ; 63.127,11.751 ccw(c61.74,13.138) 63.702,13.138 ccw(c65.664,13.138) 64.277,11.751 ; 63.127,39.131 ccw(c61.74,40.518) 63.702,40.518 ccw(c65.664,40.518) 64.277,39.131